# Altium PCB Fri3D_IRA_02.PcbDoc (part 1 of 2) (continued)
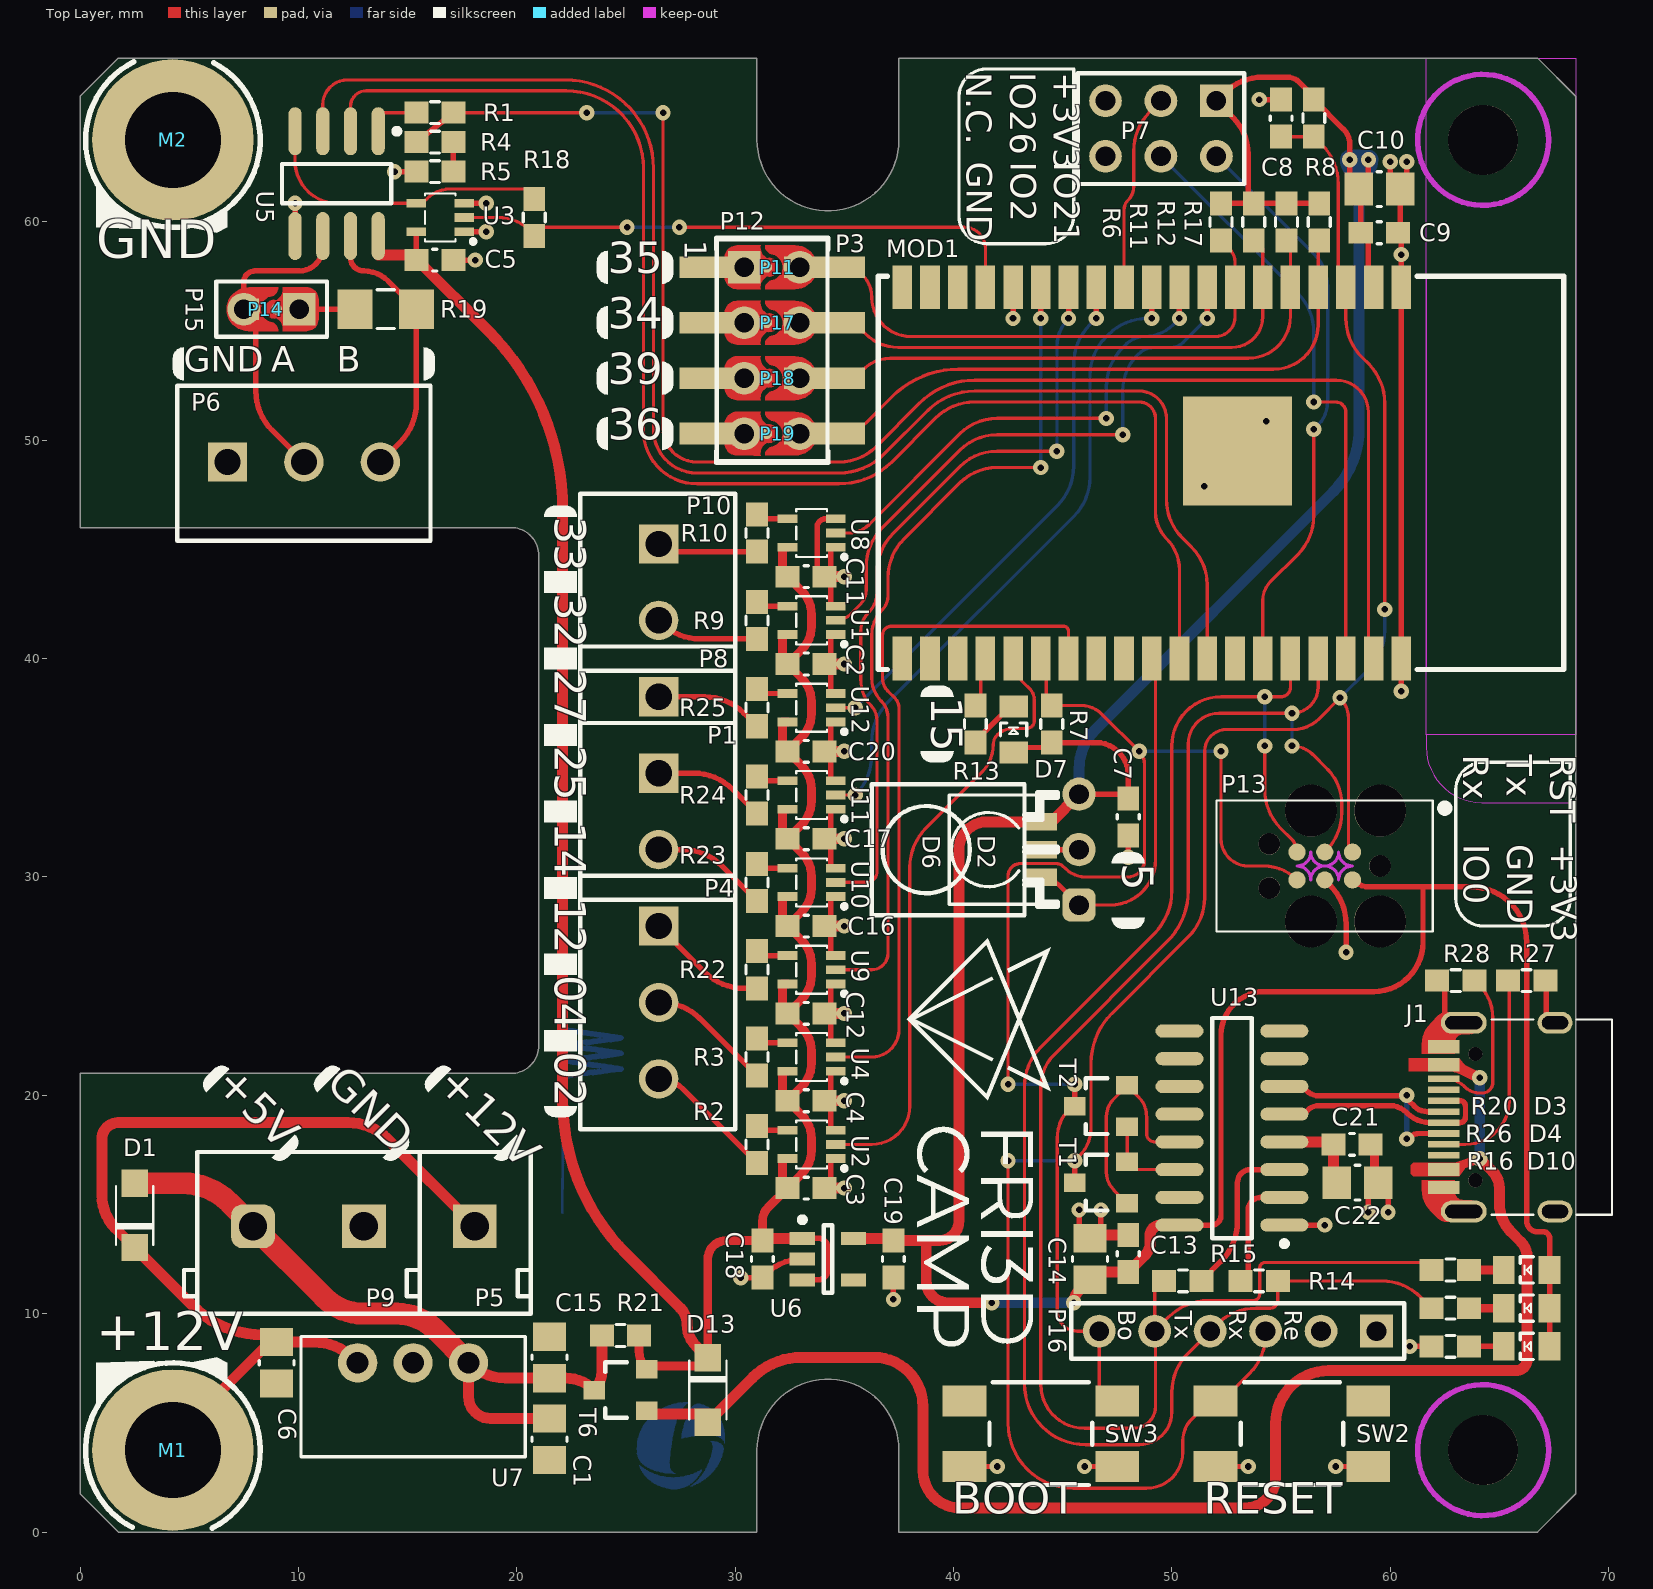
[diagram p0: Top Layer view]
## Footprints (in the part's own frame and the unit in brackets; to place one, negate y for a bottom-side part, rotate by r counter-clockwise, add the part's x,y. Pads: shape width x height; smd on the part's side, far side on the other; paste and mask are expansions set on the pad) (continued)
  rect 0.3x1.45 smd: A1(-3.375,2.548) A4(-2.55,2.548) A5(-1.25,2.547) A6(-0.25,2.548) A7(0.25,2.548) A8(1.25,2.547) A9(2.55,2.548) A12(3.375,2.548) B1(3.075,2.548) B4(2.25,2.548) B5(1.75,2.548) B6(0.75,2.548) B7(-0.75,2.548) B8(-1.75,2.547) B9(-2.25,2.548) B12(-3.075,2.548)
  oval 1x2.1 hole 0.6 slot 1.7 at 90 deg: MH1(-4.32,1.632) MH4(4.32,1.632)
  oval 1x1.6 hole 0.6 slot 1.2 at 90 deg: MH2(-4.32,-2.548) MH3(4.32,-2.548)
  silkscreen extent -4.47,-5.15 4.47,0.35, body extent -4.5,-5.15 4.44,2.75, height 3.26
K78xx-500R3-LB [mm] "Mornsun K78xx-500R3-LB"
  round 1.8 hole 1: 1(0,-2.54) 2(0,0) 3(0,2.54)
  silkscreen extent -1.2,-5.14 4.3,5.13, body extent -0.69,-5.14 4.3,5.13, height 9.61
LED_0805_GR [mm] "0805 LED GREEN"
  rect 1x1.3 smd: 1(-1.05,0) 2(1.05,0)
  silkscreen extent -0.3,-0.6 0.3,0.6, body extent -1.01,-0.62 1.01,0.63, height 1.1
LED_0805_RD [mm] "0805 LED RED"
  rect 1x1.3 smd: 1(-1.05,0) 2(1.05,0)
  silkscreen extent -0.3,-0.6 0.3,0.6, body extent -1.01,-0.62 1.01,0.62, height 1.1
ON_SOD-123FL_AC [mm] "ON_SOD-123FL"
  rect 1.25x1.22 smd: A(1.475,0) C(-1.475,0)
  silkscreen extent -1.35,-0.85 1.35,0.85, body extent -1.8,-0.82 1.8,0.83, height 0.95
R0603_N [mm] "Low density"
  rect 1.1x1 smd: 1(-0.85,0) 2(0.85,0)
  silkscreen extent -0.2,-0.5 0.2,0.5, body extent -0.8,-0.41 0.8,0.41, height 0.45
R1206 [mm]
  rect 1.6x1.8 smd: 1(-1.4,0) 2(1.4,0)
  silkscreen extent -0.4,-0.89 0.4,0.89, body extent -1.6,-0.8 1.6,0.8, height 1
SOIC_N_8 [mm] "150 mil body width"
  oval 2.2x0.6 smd: 1(-2.4,1.905) 2(-2.4,0.635) 3(-2.4,-0.635) 4(-2.4,-1.905) 5(2.4,-1.905) 6(2.4,-0.635) 7(2.4,0.635) 8(2.4,1.905)
  silkscreen extent -2.52,-2.5 0.9,2.88, body extent -3,-2.45 3,2.45, height 1.75
SOIC_N_16 [mm] "150 mil body width"
  oval 2.2x0.6 smd: 1(-2.4,4.445) 2(-2.4,3.175) 3(-2.4,1.905) 4(-2.4,0.635) 5(-2.4,-0.635) 6(-2.4,-1.905) 7(-2.4,-3.175) 8(-2.4,-4.445) 9(2.4,-4.445) 10(2.4,-3.175) 11(2.4,-1.905) 12(2.4,-0.635) 13(2.4,0.635) 14(2.4,1.905) 15(2.4,3.175) 16(2.4,4.445)
  silkscreen extent -2.53,-5.04 0.9,5.42, body extent -3,-5 3,5, height 1.75
SOLDER_SW_V_1MM [mm] "1 mm Custom solder switch"
  round 0.5 smd paste-10 mask+0.05: 1(0,0)
  rect 1x0.4 smd paste-10 mask+0.05: 2(0,-1)
  Top Layer region: -1.01,0.275 -1.01,0.6 1,0.6 1,0.275 0.767,0.269 0.56,0.162 0.42,-0.025 0.42,-0.025 0.408,-0.239 0.294,-0.42 0.107,-0.524 -0.107,-0.524 -0.294,-0.42 -0.408,-0.239 -0.42,-0.025 -0.42,-0.025 -0.563,0.163 -0.773,0.271 -1.01,0.275
  Top Layer region: -1,-1.2 -1,-0.7 -1,0.074 -0.831,0.043 -0.69,-0.054 -0.6,-0.2 -0.6,-0.2 -0.497,-0.47 -0.28,-0.661 0,-0.73 0.28,-0.661 0.497,-0.47 0.6,-0.2 0.6,-0.2 0.69,-0.054 0.832,0.043 1,0.074 1,0.074 1,-0.7 1,-1.2
SOT23-3 [mm] "SOT-23; 3 Leads; Body 3.1 x 2.5 mm, inc. leads (LxW max)"
  rect 0.85x1 smd: 1(-0.95,-1.2) 2(0.95,-1.2) 3(0,1.2)
  silkscreen extent -1.27,-0.3 1.28,0.7, body extent -1.5,-1.32 1.5,1.32, height 1.08
SOT23-5 [mm] "SOT23, 5-Leads, Body 3,1x3,2mm (max), Pitch 0,95mm, IPC Medium Density"
  rect 1.15x0.6 smd: 1(-1.175,0.95) 2(-1.175,0) 3(-1.175,-0.95) 4(1.175,-0.95) 5(1.175,0.95)
  silkscreen extent -1.3,-1.55 0.2,1.92, body extent -1.4,-1.45 1.4,1.45, height 1.45
TC2030 [mm]
  round 2.375 hole 2.375 unplated mask+0.102: 0(-2.54,2.541) 0(-2.54,-2.54) 0(0.635,2.541) 0(0.635,-2.54)
  round 0.991 hole 0.991 unplated mask+0.102: 0(-2.54,0) 0(2.54,-1.016) 0(2.54,1.016)
  round 0.787 smd paste-1 mask+0.05: 1(-1.27,-0.635) 2(-1.27,0.635) 3(0,-0.635) 4(0,0.635) 5(1.27,-0.635) 6(1.27,0.635)
  Top Layer pour cut-out: 0,-0.001 0.243,0.048 0.449,0.185 0.587,0.392 0.635,0.635 0.635,0.635 0.635,0.634 0.684,0.391 0.821,0.185 1.027,0.048 1.27,-0.001 1.27,-0.001 1.027,-0.049 0.821,-0.187 0.683,-0.393 0.635,-0.636 0.635,-0.636 0.635,-0.635 0.586,-0.392 0.449,-0.187 0.243,-0.049 0,-0.001
  Top Layer pour cut-out: -1.27,0 -1.027,0.048 -0.821,0.186 -0.683,0.392 -0.635,0.635 -0.635,0.635 -0.635,0.635 -0.586,0.392 -0.449,0.186 -0.243,0.048 0,0 0,0 -0.243,-0.048 -0.449,-0.186 -0.587,-0.392 -0.635,-0.635 -0.635,-0.635 -0.635,-0.635 -0.684,-0.392 -0.821,-0.186 -1.027,-0.048 -1.27,0
  Top Layer keep-out lines w0.15: 0.635,0.635 cw(c0,0.635) -0.635,0.635 ; 0.635,-0.635 ccw(c0,-0.635) -0.635,-0.635 ; 0.635,0.635 ccw(c1.27,0.635) 1.27,0 ccw(c1.27,-0.635) 0.635,-0.635 ; -0.635,0.635 cw(c-1.27,0.635) -1.27,0 cw(c-1.27,-0.635) -0.635,-0.635
  Bottom Layer keep-out lines w0.1: 1.475,3.501 1.475,4.608 -0.205,4.608 -0.205,3.501 ; 1.475,-3.5 1.475,-4.607 -0.205,-4.607 -0.205,-3.5 ; -1.7,3.501 -1.7,4.608 -3.38,4.608 -3.38,3.501 ; -1.7,-3.5 -1.7,-4.607 -3.38,-4.607 -3.38,-3.5
  silkscreen extent -5.6,-3 4.95,3, body extent -4.8,-3 4.7,3, height 37.8
TERM_BLK-0508-2-90 [mm] "5.08 mm pitch Terminal Block 2 way"
  rect 2x2 hole 1.3: 1(-2.54,0)
  rrect50% 2x2 hole 1.3: 2(2.54,0)
  silkscreen extent -5.1,-3.4 5.7,4, body extent -5.68,-3.4 5.68,4.1, height 9.95
TERM_BLK-0508-3-90 [mm] "5.08 mm pitch Terminal Block 3 way"
  rect 2x2 hole 1.3: 1(-5.08,0)
  rrect50% 2x2 hole 1.3: 2(0,0) 3(5.08,0)
  silkscreen extent -7.64,-3.4 8.24,4, body extent -8.22,-3.4 8.22,4.1, height 9.95
TI_DCK_R-PDSO-G5 [mm] "TI-DCK-R-PDSO-G5"
  rect 0.4x0.9 smd: 1(-0.65,-1.1) 2(0,-1.1) 3(0.65,-1.1) 4(0.65,1.1) 5(-0.65,1.1)
  silkscreen extent -1.2,-1.6 1.1,0.7, body extent -1,-1.05 1,1.05, height 0.95
VIS_TSOP381x_BENT [mil] "Vischay IR Receiver bent"
  rrect50% 60x60 hole 35.43: 1(-100,0)
  round 60 hole 35.43: 2(0,0) 3(100,0)
  silkscreen extent -118,39 118,374, body extent -122,-51 122,374, height 244
WE_9774010360 [mm] "M3 Internal Thread SMD Spacer"
  round 7.4 / inner round 0 / far side round 0 hole 4.4 unplated: 1(0,0)
  body extent -3,-3 3,3, height 1.01
WE_430181038816#1 [mm] "Miniature SMD TACT SW"
  rect 2x1.4 smd: 1(-3.5,1.5) 2(-3.5,-1.5) 2(3.5,-1.5) 3(3.5,1.5)
  silkscreen extent -2.35,-2.35 2.35,2.35, body extent -3.75,-2.25 3.75,2.25, height 3.8
WE_430181038816#2 [mm] "Miniature SMD TACT SW"
  rect 2x1.4 smd: 1(3.5,1.5) 2(-3.5,-1.5) 2(3.5,-1.5) 3(-3.5,1.5)
  silkscreen extent -2.35,-2.35 2.35,2.35, body extent -3.75,-2.25 3.75,2.25, height 3.8
WE_691103110002 [mm]
  rect 1.8x1.8 hole 1.2: 1(-1.75,0)
  round 1.8 hole 1.2: 2(1.75,0)
  silkscreen extent -4.05,-3.6 4.05,3.5, body extent -3.95,-3.6 4.05,3.4, height 8.41
WE_691103110003 [mm]
  rect 1.8x1.8 hole 1.2: 1(-3.5,0)
  round 1.8 hole 1.2: 2(0,0) 3(3.5,0)
  silkscreen extent -5.8,-3.6 5.8,3.5, body extent -5.7,-3.6 5.8,3.4, height 8.41

## Part data
C1 C10 C14 C15 C22: library part "CAP # 10uF 10V 0805", "Capacitor Ceramic", Supplier Part Number 1=2320859, Supplier 1=Farnell, Supplier 2=LCSC, Supplier 3=Generic, Supplier Part Number 2=C17024, Supplier Part Number 3="10uF 10V 0805 X7R"
C2 C3 C4 C5 C7 C8 C9 C11 C12 C13 C16 C17 C20 C21: library part "CAP # 100nF 16V 0603", "Capacitor Ceramic", Supplier Part Number 1=C282519, Supplier 1=LCSC, Supplier 3=Generic, Supplier Part Number 3="100nF 16V 0603 X7R"
C6: library part "CAP # 10uF 25V 0805", "Capacitor Ceramic", Supplier Part Number 1=C237493, Supplier 1=LCSC, Supplier 3=Generic, Supplier Part Number 3="10uF 25V 0805 X7R"
C18 C19: library part "CAP # 1uF 16V 0603", "Capacitor Ceramic", Supplier Part Number 1=2320814, Supplier 1=Farnell, Supplier 2=LCSC, Supplier 3=Generic, Supplier Part Number 2=C1592, Supplier Part Number 3="1uF 16V 0603 X7R"
D1 D13: library part "Schottky # LMBR130T1G", "=Description", Supplier Part Number 1=C48974, Supplier 1=LCSC, Supplier 2=LCSC, Supplier Part Number 2=C917121
D2: library part "PHO IR Rx 940nm ZIRM-5042B-42-Z2", "=Description", Supplier Part Number 1=C575386, Supplier 1=LCSC
D3: library part "LED # Red 0805", "=Description", Supplier Part Number 1=2099236, Supplier 1=Farnell, Supplier 2=LCSC, Supplier Part Number 2=C965812
D4 D7 D10: library part "LED # Green 0805", "=Description", Supplier Part Number 1=2099239, Supplier 1=Farnell, Supplier 2=LCSC, Supplier Part Number 2=C965815
D6: library part "PHO IR Rx RA", "=Description", Supplier Part Number 1=C264262, Supplier 1=LCSC
J1: library part "USB # C 2.0 RCPT TYPE-C-31-M-12", Supplier Part Number 1="HRO TYPE-C-31-M-12", Supplier 1=China, Supplier 2=LCSC, Supplier 3="LCSC ALT", Supplier Part Number 2=C165948, Supplier Part Number 3="C167321 / C319148"
M1 M2: library part "SPACER # M3 1mm", "Screw Hole", Supplier Part Number 1=9774010360, Supplier 1=Wurth
MOD1: library part "WiFi # MOD ESP-WROVER-32", "WiFi # MOD ESP-WROVER-32", Supplier Part Number 1=ESP-WROVER-32, Supplier 1=Espressif
P1 P10: library part "Terminal Block 3.5mm 2way", Supplier Part Number 1=C784940, Supplier 1=LCSC, Supplier 2=Würth, Supplier Part Number 2=691214110002
P3: library part "Pin Header 2.54mm dual row 8way"
P4 P6 P8: library part "Terminal Block 3.5mm 3way", Supplier Part Number 1=C784941, Supplier 1=LCSC, Supplier 2=Würth, Supplier Part Number 2=691214110003
P5: library part "Terminal Block 5.08mm 3way", Supplier 1=Farnell
P7: library part "Pin Header 2.54mm dual row 6way"
P9: library part "Terminal Block 5.08mm 2way", Supplier Part Number 1=1131853, Supplier 1=Farnell, Supplier 2=LCSC, Supplier Part Number 2=C8465
P11 P14 P17 P18 P19: library part "SOLDER SW V 1MM"
P12: library part "Pin Header # 2.54mm dual row 8way", Supplier Part Number 1=C192300, Supplier 1=LCSC
P13: library part "HDR # TC2030", Supplier 1="NO PART"
P15: library part "Pin Header 2.54mm 2way", Supplier Part Number 1=C492401, Supplier 1=LCSC, Supplier 2=LCSC, Supplier Part Number 2=C541856
P16: library part "Pin Header 2.54mm 6way"
R1 R4 R5 R6 R7 R8 R11 R12 R17 R27 R28: library part "RES # 5K1 0603", Supplier Part Number 1=2845922, Supplier 1=Farnell, Supplier 2=LCSC, Supplier 3=Generic, Supplier Part Number 2=C112314, Supplier Part Number 3="5K1 1% 0603"
R2 R3 R9 R10 R22 R23 R24 R25: library part "RES # 1K 0603", Supplier Part Number 1=2689409, Supplier 1=Farnell, Supplier 2=LCSC, Supplier 3=Generic, Supplier Part Number 2=C21190, Supplier Part Number 3="1K 1% 0603"
R13 R16 R20 R26: library part "RES # 5k1 0603", Supplier Part Number 1=2845922, Supplier 1=Farnell, Supplier 2=LCSC, Supplier 3=Generic, Supplier Part Number 2=C112314, Supplier Part Number 3="5K1 1% 0603"
R14 R15 R18: library part "RES # 100R 0603", Supplier Part Number 1=2446544, Supplier 1=Farnell, Supplier 2=LCSC, Supplier 3=Generic, Supplier Part Number 2=C22775, Supplier Part Number 3="100R 1% 0603"
R19: library part "RES # 120R 1206", Supplier Part Number 1=C17909, Supplier 1=LCSC, Supplier 3=Generic, Supplier Part Number 3="120R 1% 1206"
R21: library part "RES # 0R 0603", Supplier Part Number 1=2447743, Supplier 1=Farnell, Supplier 2=LCSC, Supplier 3=Generic, Supplier Part Number 2="C95177 / C15402", Supplier Part Number 3="0R 1% 0603"
SW2 SW3: library part "SW # TACT small 4.5x4.5mm SMD WS-TASV", Supplier Part Number 1=430181038816, Supplier 1=Wurth, Supplier 2=Mouser, Supplier 3=LCSC, Supplier Part Number 2=710-430181038816, Supplier Part Number 3=C174049
T1 T2: library part "BSS138 N-Ch MOSFET 0.2A 3.2Vgs 60Vds", Supplier Part Number 1=2432717, Supplier 1=Farnell
T6: library part "SL2301 P-Ch MOSFET -2.3A -20Vds", "=Description", Supplier Part Number 1=C181086, Supplier 1=LCSC
U1 U2 U3 U4 U8 U9 U10 U11 U12: library part "BUF # 1 SN74AHCT1G125DCKR", "=Description", Supplier Part Number 1=C151417, Supplier 1=LCSC, Supplier 2=LCSC, Supplier Part Number 2=C350557
U5: library part "WS3085 # RS-485 transceiver", Supplier Part Number 1=C2691412, Supplier 1=LCSC
U6: library part "LDO # 3V3 XC6210B33", "=Designator", Supplier Part Number 1=1057803, Supplier 1=Farnell, Supplier 2=LCSC, Supplier Part Number 2=C47719
U7: library part "PWR MOD Buck 5V K7805-500R3-LB", "=Designator", Supplier Part Number 1=2725-K7805-500R3-LB-ND, Supplier 1=Digi-key, Supplier 2=LCSC, Supplier Part Number 2=C5198056
U13: library part "CH340C # UCB UART", "=Description", Supplier Part Number 1=C84681, Supplier 1=LCSC

## Free pads (board coordinates)
  rect 3.1x1 smd: 0(29,50.3) 0(34.4,50.3)
  round 3.2 hole 3.2 unplated mask+1.5: 1(64.25,3.75) 1(64.25,63.75)

## Via types
v1: diameter 0.7, hole 0.3, Top Layer to Bottom Layer, tented top, 73 vias

## Nets (pads, with @x,y where several pads share a name; then routed paths per layer and width w, separated by ;. In a path a pad name is that pad's centre, name@x,y a point inside that pad or via, vN(x,y) a via of type N, cw(c..) or ccw(c..) an arc to the next point about the centre after c; other vN are vias at no path point)
3V3_ESP: C7.1 C9.1 C10.1 C13.1 C14.2 C19.1 D2.3 D3.1 D4.1 D6.3 D7.1 D10.1 MOD1.2 P7.1 P13.2 R6.1 R7.1 R8.1 R11.1 R12.1 R17.1 U6.5 U13.16 | length 170.1
  Top Layer w0.25: D7.1@42.75,35.7 42.95,35.9 42.95,35.927 44.277,35.927 R7.1@44.5,36.15 46.523,36.15 cw(c46.523,34.671) 48.002,34.665 48,33.79 C7.1@48,33.6 47.921,33.79 D6.3@45.75,33.79 ; U13.16@50.35,14.055 51.805,14.055 ccw(c51.805,14.5) 52.25,14.5 52.25,22.75 cw(c54.25,22.75) 54.25,24.75 59.25,24.75 ccw(c59.25,27) 61.5,27 61.5,29.545 ; R6.1@52.25,60.85 R11.1@53.5,60.85 ; R17.1@56.75,60.85 R12.1@55.25,60.85 R11.1@53.75,60.85 R11.1@53.5,60.85 ; P13.2@58.27,29.865 ccw(c59.043,30.637) 59.043,29.545 61.5,29.545 ; v1(59,62.842) 59,61.5 C10.1@58.55,61.5 ; MOD1.2@59.238,57 59,57.238 59,59.15 C9.1@58.65,59.5 58.65,61.4 C10.1@58.55,61.5 ; D10.1@67.3,8.5 D4.1@67.3,10.25 D3.1@67.3,12 67.3,13.45 ccw(c67,13.45) 67,13.75 66.75,13.75 cw(c66.75,14.25) 66.25,14.25 66.25,27.005 ccw(c63.71,27.005) 63.71,29.545 61.5,29.545 ; R11.1@53.5,60.85 53.5,63.094 ccw(c51.119,63.094) 52.802,64.778 P7.1@52.04,65.54 52.381,65.881 cw(c54.177,64.085) 54.177,66.625 55.282,66.625 cw(c55.282,65.857) 55.825,66.4 56.412,65.813 cw(c56.198,65.6) R8.1@56.5,65.6 57.863,64.237 cw(c57.169,63.544) 58.15,63.544 v1(58.15,62.842) 58.15,61.5 C10.1@58.55,61.5
  Top Layer w0.5: U6.5@35.425,13.45 37.009,13.45 cw(c37.009,13.109) C19.1@37.25,13.35 38.75,13.35 ; v1(41.75,10.5) 39.75,10.5 cw(c39.75,11.5) 38.75,11.5 38.75,13.35 ; v1(45.5,10.5) cw(c46.224,10.5) 45.712,11.012 C14.2@46.25,11.55 46.25,11.9 C13.1@48,11.9 48.752,12.652 ccw(c48.155,13.25) 49,13.25 49,13.573 cw(c49.482,13.573) 49.482,14.055 U13.16@50.35,14.055 ; D6.3@45.75,33.79 44.48,32.52 D2.3@44,32.52 41.52,32.52 ccw(c41.52,31.25) 40.25,31.25 40.25,14.25 cw(c39.35,14.25) 39.35,13.35 38.75,13.35
  Bottom Layer w0.5: v1(41.75,10.5) v1(45.5,10.5) ; D6.3@45.75,33.79 45.75,34.948 cw(c48.29,34.948) 46.494,36.744 57.366,47.616 ccw(c54.448,50.535) 58.575,50.535 58.575,62.842 ; v1(58.15,62.842) 58.575,62.842 ; v1(59,62.842) 58.575,62.842
3V3_USB: C21.1 C22.2 U13.4 | length 4.3
  Top Layer w0.5: U13.4@55.15,17.865 57.4,17.865 C21.1@57.4,17.75 57.4,16 C22.2@57.55,16
+5VIN: C1.1 C15.1 D1.A P5.3 P9.2 R21.2 T6.3 U7.3 | length 32.8
  Top Layer w0.5: C1.1@21.5,5.2 18.8,5.2 cw(c18.8,6.21) 17.79,6.21 U7.3@17.79,7.75 ccw(c19.48,9.44) 19.48,7.05 C15.1@21.5,7.05 22.222,7.05 cw(c22.222,5.172) T6.3@23.55,6.5 ccw(c22.705,7.345) 23.9,7.345 R21.2@23.9,9
  Top Layer w1: D1.A@2.6,15.975 4.695,15.975 cw(c4.695,12.956) 6.829,15.091 P5.3@7.92,14 11.176,10.744 ccw(c12.972,12.54) 12.972,10 14.488,10 cw(c14.488,7.46) 16.284,9.256 U7.3@17.79,7.75
+12VIN: C6.1 D1.C M1.1 P5.1 U7.1 | length 44
  Top Layer w0.5: M1.1@4.25,3.75 cw(c5.469,3.75) 4.607,4.612 8.479,8.484 cw(c9,7.964) C6.1@9,8.7 ; U7.1@12.71,7.75 12.504,7.956 ccw(c10.708,6.16) 10.708,8.7 C6.1@9,8.7 ; P5.1@18.08,14 14.074,18.006 ccw(c12.278,16.21) 12.278,18.75 1.75,18.75 ccw(c1.75,18) 1,18 1,15.422 ccw(c3.166,15.422) 1.634,13.891 D1.C@2.5,13.025 5.177,10.348 ccw(c8.35,13.521) 8.35,9.034 8.666,9.034 C6.1@9,8.7
CH340C.D\T\R\: T1.1 T2.2 U13.13 | length 10.3
  Top Layer w0.15: T1.1@47.95,15.05 47.341,15.659 47.341,15.669 cw(c48.163,16.492) 47,16.492 47,19 cw(c48.207,19) 47.354,19.854 T2.2@47.95,20.45 48.467,19.933 cw(c47.56,19.025) 48.843,19.025 48.843,18.235 ccw(c49.213,18.235) 49.213,17.865 U13.13@50.35,17.865
CH340C.R\T\S\: T1.2 T2.1 U13.14 | length 4.2
  Top Layer w0.15: T2.1@47.95,18.55 T1.2@47.95,16.95 ccw(c48.294,16.95) 48.294,16.606 50.339,16.606 U13.14@50.35,16.595
CH340C.RXD: R15.1 U13.3 | length 7.6
  Top Layer w0.25: R15.1@51.35,11.5 52.256,12.406 ccw(c50.46,14.202) 53,14.202 53,16 cw(c53.595,16) 53.595,16.595 U13.3@55.15,16.595
CH340C.TXD: R14.1 U13.2 | length 5.4
  Top Layer w0.25: R14.1@53.15,11.5 ccw(c53.15,11.85) 53.5,11.85 53.5,14.75 cw(c54.075,14.75) 54.075,15.325 U13.2@55.15,15.325
DMX.A: P6.2 P14.2 P15.2 U5.6 | length 14.6
  Top Layer w0.25: P6.2@10.25,49 8.794,50.456 cw(c10.59,52.252) 8.05,52.252 8.05,56 P14.2@8,56 P15.2@7.5,56 7.5,57.25 cw(c8,57.25) 8,57.75 10.032,57.75 ccw(c10.032,58.833) 11.115,58.833 U5.6@11.115,59.35
DMX.B: P6.3 R19.2 U5.7 | length 12.6
  Top Layer w0.25: U5.7@12.385,59.35 12.385,58.365 ccw(c13,58.365) 13,57.75 cw(c13,56.181) 14.11,57.29 R19.2@15.4,56 15.4,51.702 cw(c12.86,51.702) 14.656,49.906 P6.3@13.75,49
DNU_SPI.CLK: MOD1.20
DNU_SPI.CS0: MOD1.19
DNU_SPI.D: MOD1.22
DNU_SPI.HD: MOD1.17
DNU_SPI.Q: MOD1.21
DNU_SPI.WP: MOD1.18
ESP.IO0: MOD1.25 P13.6 P16.6 R7.2 SW3.1 T2.3 | length 60.9
  Top Layer w0.15: v1(42.5,20.5) 42.5,30.05 cw(c43.064,30.05) 43.064,30.614 44.706,30.614 cw(c44.706,30.181) 45.013,30.488 45.111,30.389 ccw(c46.051,31.33) 46.051,30 47.986,30 ccw(c47.986,30.764) 48.75,30.764 48.75,35.146 ccw(c47.896,35.146) v1(48.5,35.75) 46.791,37.459 ccw(c45.847,36.515) 45.847,37.85 R7.2@44.5,37.85 44.248,38.102 44.248,39.75 MOD1.25@43.998,40 ; T2.3@45.55,19.5 45.352,19.422 ccw(c46.66,18.029) 44.75,18.029 44.75,10.117 ccw(c45.667,10.117) 45.667,9.2 P16.6@46.67,9.2 46.67,6.625 47.295,6 SW3.1@47.5,6 ; v1(52.25,35.75) 52.25,31.75 ccw(c53.5,31.75) 53.5,30.5 54.196,30.5 cw(c54.196,28.331) P13.6@55.73,29.865
  Top Layer w0.25: T2.3@45.55,19.5 v1(45.55,20.5)
  Bottom Layer w0.15: v1(42.5,20.5) v1(45.55,20.5) ; v1(48.5,35.75) v1(52.25,35.75)
ESP.IO2: MOD1.24 U2.2 | length 28
  Top Layer w0.15: U2.2@34.6,17.75 36.25,17.75 ccw(c36.25,19.5) 38,19.5 38,30.448 cw(c40.54,30.448) 38.744,32.244 41.293,34.793 ccw(c40.022,36.063) 41.819,36.063 cw(c42.437,36.063) 42,36.5 cw(c42.724,35.776) 42.724,36.8 43.35,36.8 ccw(c43.35,37.149) 43.699,37.149 43.699,38.129 ccw(c43.046,38.129) 43.508,38.591 43.173,38.926 cw(c44.246,40) MOD1.24@42.728,40
ESP.IO4: MOD1.26 U4.2 | length 32.1
  Top Layer w0.15: U4.2@34.6,21.75 36.25,21.75 ccw(c36.25,23) 37.5,23 37.5,37.75 ccw(c36.896,37.75) 37.323,38.177 37,38.5 cw(c37.604,39.104) 36.75,39.104 36.75,41.077 cw(c37.155,41.077) 37.155,41.482 45.036,41.482 cw(c45.036,41.25) 45.268,41.25 MOD1.26@45.268,40
ESP.IO5: D2.1 D6.1 MOD1.29 | length 16.2
  Top Layer w0.15: D6.1@45.75,28.71 47.165,28.71 ccw(c47.165,30.795) 49.25,30.795 49.25,39.828 MOD1.29@49.078,40
  Top Layer w0.2: D2.1@44,29.98 cw(c44,28.821) 44.819,29.641 D6.1@45.75,28.71
ESP.IO12: MOD1.14 U9.2 | length 38.2
  Top Layer w0.15: U9.2@34.6,25.75 35.25,25.75 36.25,25.75 ccw(c36.25,26.5) 37,26.5 37,37.293 ccw(c35.896,37.293) 36.677,38.073 cw(c37.707,39.104) 36.25,39.104 36.25,41.067 cw(c37.899,41.067) 36.733,42.233 ccw(c36.088,42.878) 37,42.878 37,43.698 cw(c39.54,43.698) 37.744,45.494 40.293,48.043 cw(c42,46.336) 42,48.75 v1@44,48.75
  Top Layer w0.25: v1@43.998,55.578 MOD1.14@43.998,57
  Bottom Layer w0.15: v1@43.995,48.747 v1(43.995,55.575) v1@44,55.575
  other v1: 43.992,48.747
ESP.IO13: MOD1.16 R18.1 U3.2 | length 26.9
  Top Layer w0.15: U3.2@17.6,60.2 19.123,60.2 cw(c19.123,58.016) 20.756,59.467 R18.1@20.8,59.35 20.8,59.75 v1(25.05,59.75) ; v1(27.45,59.75) 40.5,59.75 cw(c40.5,58.79) 41.46,58.79 MOD1.16@41.46,57
  Bottom Layer w0.15: v1(25.05,59.75) v1(27.45,59.75)
ESP.IO14: MOD1.13 U10.2 | length 34.9
  Top Layer w0.15: U10.2@34.6,29.75 36,29.75 ccw(c36,30.25) 36.5,30.25 36.5,37.146 ccw(c35.467,37.146) 36.198,37.877 cw(c37.182,38.861) 35.896,38.328 cw(c37.666,39.062) 35.75,39.062 35.75,41.242 cw(c36.977,41.242) 36.109,42.109 ccw(c35.167,43.052) 36.161,42.164 ccw(c35.167,43.052) 36.5,43.052 36.5,43.948 cw(c39.04,43.948) 37.244,45.744 40.293,48.793 cw(c42,47.086) 42,49.5 v1@44.75,49.5
  Top Layer w0.25: v1@45.268,55.578 MOD1.13@45.268,57
  Bottom Layer w0.15: v1@44.734,49.497 44.734,54.294 cw(c46.546,54.294) 45.244,55.554 cw(c46.546,54.294) v1(45.265,55.575)
  other v1: 44.731,49.497
ESP.IO15: MOD1.23 R13.2 | length 2.3
  Top Layer w0.15: R13.2@41,37.85 41.25,38.1 41.25,39.79 MOD1.23@41.46,40
ESP.IO16: MOD1.27
ESP.IO17: MOD1.28
ESP.IO18: MOD1.30 U5.2 | length 66.9
  Top Layer w0.15: U5.2@12.385,64.15 12.385,65.284 cw(c13.101,65.284) 13.101,66 22.27,66 cw(c22.27,62.47) 25.8,62.47 25.8,50.45 ccw(c28.25,50.45) 28.25,48 34.75,48 ccw(c34.75,51.414) 37.164,49 39.17,51.006 cw(c40.966,49.21) 40.966,51.75 48.5,51.75 cw(c48.5,51) 49.25,51 49.25,46.707 ccw(c50.957,46.707) 49.75,45.5 cw(c48.306,44.056) 50.348,44.056 MOD1.30@50.348,40
ESP.IO19: MOD1.31 U5.3 | length 69.5
  Top Layer w0.15: U5.3@11.115,64.15 11.115,65.365 cw(c12.25,65.365) 12.25,66.5 22.222,66.5 cw(c22.222,62.466) 26.256,62.466 26.256,50.494 ccw(c28.25,50.494) 28.25,48.5 34.75,48.5 ccw(c34.75,51.414) 36.811,49.354 38.817,51.36 cw(c40.966,49.21) 40.966,52.25 48.5,52.25 cw(c48.5,51) 49.75,51 49.75,47.302 ccw(c52.29,47.302) 50.494,45.506 50.911,45.089 cw(c49.204,43.382) 51.618,43.382 MOD1.31@51.618,40
ESP.IO21: MOD1.33 P7.2 | length 26
  Top Layer w0.15: MOD1.33@54.158,40 54.158,42.658 cw(c55.365,42.658) 54.512,43.512 55.756,44.756 ccw(c53.96,46.552) 56.5,46.552 v1(56.5,50.5)
  Bottom Layer w0.15: P7.2@52.04,63 56.506,58.534 cw(c54.993,57.021) 57.133,57.021 57.133,51.75 cw(c55.642,51.75) 56.696,50.696 v1(56.5,50.5)
ESP.IO22: MOD1.36 P7.4 | length 27.1
  Top Layer w0.15: v1(56.5,51.75) 57.5,51.75 cw(c57.5,51.282) 57.968,51.282 MOD1.36@57.968,40
  Bottom Layer w0.15: P7.4@49.5,63 55.756,56.744 cw(c53.96,54.948) 56.5,54.948 v1(56.5,51.75)
ESP.IO23: MOD1.37 R1.2 R4.1 | length 72.9
  Top Layer w0.15: R1.2@17.1,65 v1(23.2,65) ; v1(26.7,65) 26.7,50.55 ccw(c28.25,50.55) 28.25,49 34.75,49 ccw(c34.75,51.414) 36.457,49.707 38.463,51.713 cw(c40.966,49.21) 40.966,52.75 57.527,52.75 cw(c57.527,51.277) 59,51.277 59,40.238 MOD1.37@59.238,40
  Top Layer w0.25: R4.1@15.4,63.65 R1.2@17.1,65
  Bottom Layer w0.15: v1(23.2,65) v1(26.7,65)
ESP.IO25: MOD1.10 U11.2 | length 30
  Top Layer w0.15: U11.2@34.6,33.75 v1(35.5,33.75)
  Top Layer w0.25: v1@49.078,55.578 MOD1.10@49.078,57
  Bottom Layer w0.15: v1(35.5,33.75) 35.506,33.756 ccw(c33.71,35.552) 36.25,35.552 36.25,36.198 cw(c38.79,36.198) 36.994,37.994 45.506,46.506 ccw(c43.71,48.302) 46.25,48.302 46.25,52.948 cw(c48.79,52.948) 46.994,54.744 47.081,54.831 cw(c48.877,53.035) 48.877,55.575 v1(49.075,55.575)
ESP.IO26: MOD1.11 P7.3 | length 9.1
  Top Layer w0.15: MOD1.11@47.808,57 47.808,60.536 cw(c48.464,60.536) 48,61 ccw(c47.396,61.604) 48.25,61.604 48.25,63.238 cw(c50.79,63.238) 48.994,65.034 P7.3@49.5,65.54
ESP.IO27: MOD1.12 U12.2 | length 24.5
  Top Layer w0.15: U12.2@34.6,37.75 v1(35.5,37.75)
  Top Layer w0.25: v1@46.538,55.578 MOD1.12@46.538,57
  Bottom Layer w0.15: v1(35.5,37.75) 44.756,47.006 ccw(c42.96,48.802) 45.5,48.802 45.5,53.488 cw(c48.04,53.488) 46.244,55.284 v1(46.535,55.575)
ESP.IO32: MOD1.8 U1.2 | length 26.9
  Top Layer w0.15: U1.2@34.6,41.75 ccw(c34.6,42.716) 35.283,42.033 35.726,42.476 ccw(c35.066,43.137) 36,43.137 36,44.198 cw(c38.54,44.198) 36.744,45.994 40.293,49.543 cw(c42,47.836) 42,50.25 v1@47.75,50.25
  Top Layer w0.25: v1@51.618,55.578 MOD1.8@51.618,57
  Bottom Layer w0.15: v1@47.75,50.247 47.75,52.258 cw(c50.099,52.258) 48.438,53.919 cw(c49.238,53.119) 49.238,54.25 49.938,54.25 ccw(c49.938,55.101) 50.539,54.499 v1(51.615,55.575)
  other v1: 47.747,50.247
ESP.IO33: MOD1.9 U8.2 | length 22.3
  Top Layer w0.15: U8.2@34.6,45.75 35.2,45.75 ccw(c35.2,47.078) 36.139,46.139 40.293,50.293 cw(c42,48.586) 42,51 v1@47,51
  Top Layer w0.25: v1@50.348,55.578 MOD1.9@50.348,57
  Bottom Layer w0.15: v1@47,51 47,52.437 cw(c49.54,52.437) 47.744,54.233 47.915,54.404 cw(c48.75,53.57) 48.75,54.75 ccw(c48.75,56.609) 50.064,55.294 v1(50.345,55.575)
  other v1: 46.997,50.997
ESP.IO34: MOD1.6 P3.4 P12.4 P17.2 R11.2 | length 24.5
  Top Layer w0.15: P12.4@34.4,55.38 34.741,55.38 cw(c34.741,53.642) 35.97,54.871 ccw(c37.47,56.37) 37.47,54.25 52.75,54.25 ccw(c52.75,55.658) 54.158,55.658 MOD1.6@54.158,57 54.158,58.742 R11.2@53.75,59.15